# Altium PCB Rescue-MainBoard.PcbDoc (part 2 of 2)
Units mil, origin at the board's own origin, x right, y up, seen from the top; angles counter-clockwise.
Board outline 7480.32 x 7480.32 mil, 2 copper layers (Top Layer, Bottom Layer), stack 65.792 mil thick; 142 components, 159 nets, 629 pads, 157 vias.
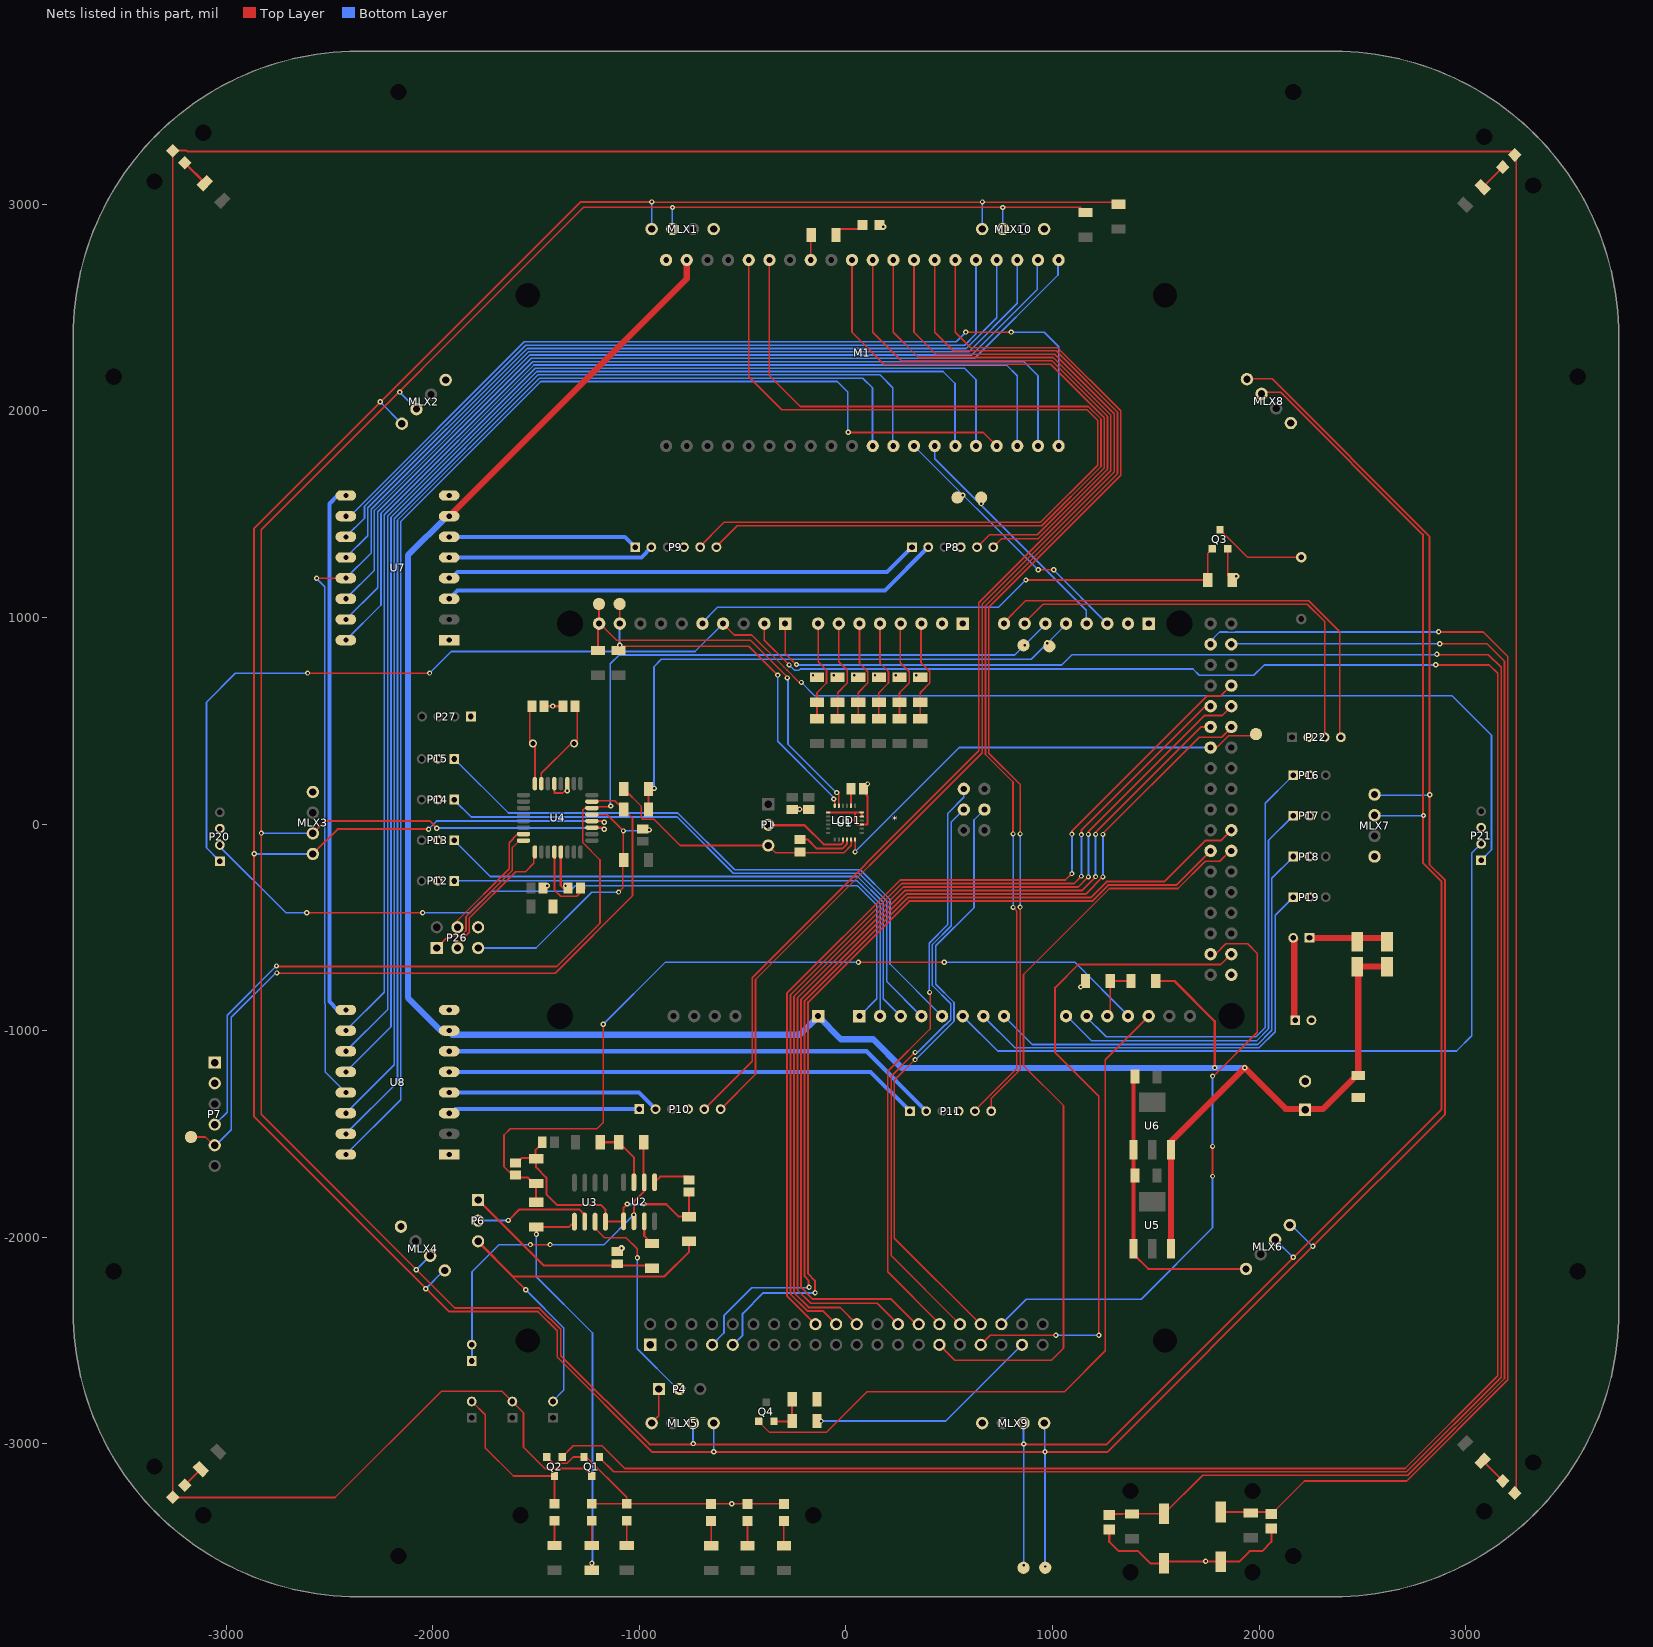
[diagram p2: the nets of this part, all layers, seen from the top]

## Via types
v1: diameter 25.59, hole 11.81, Top Layer to Bottom Layer, tented both sides, 110 vias
v2: diameter 24, hole 12, Top Layer to Bottom Layer, tented both sides, 28 vias
v3: diameter 24, hole 12, Top Layer to Bottom Layer, 13 vias
v4: diameter 31.5, hole 11.81, Top Layer to Bottom Layer, tented both sides, 6 vias

## Nets (pads, with @x,y where several pads share a name; then routed paths per layer and width w, separated by ;. In a path a pad name is that pad's centre, name@x,y a point inside that pad or via, vN(x,y) a via of type N, cw(c..) or ccw(c..) an arc to the next point about the centre after c; other vN are vias at no path point) (continued)
GND: 3V3_1.2 3V3_DUE.2 5V_1.2 *.GND5 C1.1 C2.1 C3.1 C4.1 C5.1 C6.1 C8.1 C9.2 C10.2 C11.1 C12.1 C13.1 C14.2 C15.1 C16.1 C17.1 C18.1 C19.2 C20.2 L1.2 L2.2 L8.2 LCD1.1 M1.1 MLX1.1 MLX2.1 MLX3.1 MLX4.1 MLX5.1 MLX6.1 MLX7.1 MLX8.1 MLX9.1 MLX10.1 P1.3 P4.1 P7.1 P7.2 P8.4 P9.4 P10.4 P11.4 P12.2 P13.2 P14.2 P15.2 P16.2 P17.2 P18.2 P19.2 P20.3 P21.3 P22.2 P24.2 P26.6 P27.1 Q1.2 Q2.2 Q3.2 R7.1 R11.1 R12.1 R24.2 R33.2 R35.2 R37.2 R39.2 R41.2 R43.2 R45.1 R49.2 SW1.1 SW2.1 U1.1 U1.11 U1.15 U1.17 U1.18 U2.1 U3.4 U4.3 U4.5 U4.21 U5.1 U6.1 U7.1 U7.8 U7.9 U8.1 U8.8 U8.9 | length 10393.5
  Top Layer w8: Q2.2@-1450,-3060 -1415.56,-3094.44 -1349.91,-3094.44 -1319.21,-3063.74 Q1.2@-1267.4,-3063.74 ; U4.5@-1410,190 -1410,150 -1370.67,150 -1350,170.67 -1350,193.11 U4.3@-1347.76,195.35 ; Q1.2@-1270,-3060 -1260,-3060 -1060.63,-3259.37 L2.2@-1060.63,-3289.92 ; L1.2@-1234.92,-3289.92 L2.2@-1060.63,-3289.92 ; R11.1@-1076.94,163.06 R11.1@-1075,165 ; R11.1@-1075.04,170 -989.6,84.56 -989.6,30.58 -982.57,23.55 -928.59,23.55 -801.06,-103.98 P1.3@-375.39,-103.98 ; MLX5.1@-940,-2900 -905,-2865 P4.1@-905,-2735 ; 5V_1.2@-480,-3290 5V_1.2@-479.08,-3290.92 ; P1.3@-375,-105 -340,-140 -10,-140 26.76,-103.24 26.76,-88.33 ; 3V3_DUE.2@-300,-3290.92 5V_1.2@-476.32,-3290.92 5V_1.2@-479.08,-3290.92 ; C16.1@-260,70.47 -180.47,70.47 C15.1@-180,70 ; Q3.2@1848.43,1331.69 1848.43,1203.74 R49.2@1871.06,1181.1 ; L2.2@-1060.63,-3289.92 -1060.55,-3290 -653.5,-3290 3V3_1.2@-652.58,-3290.92 5V_1.2@-479.08,-3290.92
  Top Layer w10: C4.1@-1581,-1629 -1569,-1617 -1502.73,-1617 -1502.73,-1578.73 C11.1@-1477,-1553 ; R7.1@-1501.94,-1617.27 R7.1@-1498.83,-1620.38 -1498.83,-1662.16 -1449.39,-1711.61 -1449.39,-1793.02 -1398.83,-1843.57 -1185.68,-1843.57 -1163.83,-1865.42 U3.4@-1163.83,-1924.91 -1077.53,-1924.91 U2.1@-1075.83,-1923.21 -1075.83,-1857.42 v1@-1058.83,-1840.42 ; C10.2@-1460,570 C9.2@-1370,570 ; U4.21@-1380,-135 -1380,-298.15 -1368.15,-310 C6.1@-1358.15,-300 ; v1@-978.83,-1840.42 -868.83,-1840.42 -808.87,-1900.38 R12.1@-758.83,-1900.38 C3.1@-758.83,-1794.57 ; U1.1@-86.22,55.91 44.61,55.91 ; U1.11@25,-75 26.76,-76.76 26.76,-88.33 ; U1.17@77.16,36.22 U1.18@77.16,55.91 44.61,55.91 ; C2.1@100,147 100,139.21 104.61,134.61 104.61,-3.15 U1.15@77.16,-3.15 55.43,-3.15 44.61,7.68 44.61,55.91 ; C19.2@1275,-3415 1275,-3475 1320,-3520 1415,-3520 1473.74,-3578.74 SW1.1@1540,-3578.74 ; U5.1@1395,-2085 1463.54,-2153.54 MLX6.1@1937.01,-2153.54 ; SW1.1@1534.37,-3574.37 SW1.1@1534.37,-3570.63 ; SW1.1@1540,-3570.63 v1@1740,-3570.63 ; v1@1740,-3570 v1@1740,-3570.63 ; C20.2@2060,-3405 2060,-3475 2015,-3520 1955,-3520 1904.37,-3570.63 SW2.1@1815,-3570.63 v1@1740,-3570.63
  Top Layer w20: U8.8@-1920,-900 U8.8@-1915,-895 ; U5.1@1392.68,-2055.83 U6.1@1392.68,-1575.83 C13.1@1392.68,-1248.32
  Bottom Layer w8: v1@-1359.15,-299 v1@-1358.15,-300
  Bottom Layer w10: v1@-1058.83,-1840.42 v1@-978.83,-1840.42
  Bottom Layer w20: U8.9@-2420,-900 -2460,-900 -2500,-860 -2500,1550 -2460,1590 U7.9@-2420,1590
  other v1: 1741,-3569 -553,-3290 -1057.83,-1839.42 -977.83,-1839.42 1136,-789 -1445,-299 -1357.15,-299 -224,72 -1349,161 105,194 -1419,571 -159,721 -59,721 41,721 141,721 241,721 341,721
  other v4: -1086,-2053 1890,1200 180,2890
I2C0.SCL: *.21
I2C0.SDA: *.20
LCD_CS: *.43 LCD1.15 | length 3802.1
  Top Layer w8: LCD1.15@452.75,-2521.11 527.14,-2595.5 995,-2595.5 1053.5,-2537 1053.5,-1363 860,-1169.5 860,-728.37 1275.87,-312.5 1607.5,-312.5 1740,-180 1810,-180 1864,-126 *.43@1864,-122
LCD_RESET: *.53 LCD1.17 | length 3281.2
  Top Layer w9: LCD1.17@652.75,-2521.11 698.86,-2475 v1@1016,-2475 ; v1@1224,-2475 1224,-1317.83 1012.5,-1106.33 1012.5,-791.54 1124.04,-680 1814,-680 *.53@1865,-629
  Bottom Layer w9: v1@1016,-2475 v1@1224,-2475
  other v1: 1017,-2474 1225,-2474
LCD_RS: *.41 LCD1.4 | length 4436.4
  Top Layer w9: v1@-180,-2245 -180,-2210 -200,-2190 -200,-855.33 299.33,-356 1185,-356 1262,-279 1540.74,-279 1739.74,-80 1815.69,-80 *.41@1865.69,-30
  Bottom Layer w9: LCD1.4@-647.25,-2521.11 -590,-2463.86 -590,-2379.81 -455.19,-2245 v1@-180,-2245
  other v1: -178,-2242
LCD_WR: *.42 LCD1.5 | length 4235.4
  Top Layer w9: v1@-150,-2270 -150,-2210 -183,-2177 -183,-862.37 306.37,-373 1192.04,-373 1269.04,-296 1599.69,-296 *.42@1765.69,-130
  Bottom Layer w9: LCD1.5@-547.25,-2521.11 -500,-2473.86 -500,-2370 -400,-2270 v1@-150,-2270
  other v1: -149,-2269
LED: Q4.2 R22.2 R24.1 | length 193.1
  Top Layer w10: Q4.2@-347.6,-2891.26 -261.3,-2891.26 R22.2@-260.04,-2890 R24.1@-260.04,-2785
LIGHT_LED: *.11 P20.1 P21.1 | length 8023.7
  Top Layer w8: v2(-2605,730) v2(-2015,730) ; *.11@-595,970 -540,915 -455,915 -299.8,759.8 -299.8,759.73 -285.27,745.2 -285.21,745.2 -225,685 v2(-215,685)
  Bottom Layer w8: P20.1@-3030,-180 -3095,-115 -3095,590 -2955,730 v2(-2605,730) ; v2(-2015,730) -1910,835 -730,835 *.11@-595,970 ; v2(-215,685) -150,620 2935,620 3125,430 3125,-125 P21.1@3075,-175
M1+: P8.2 U7.3 | length 2422.3
  Bottom Layer w20: U7.3@-1920,1090 -1880,1130 188.74,1130 P8.2@398.74,1340
M1-: P8.1 U7.4 | length 2292.1
  Bottom Layer w20: U7.4@-1910,1190 -1880,1220 200,1220 P8.1@320,1340
M1_DIR1: M1.20 U7.15 | length 4428.4
  Bottom Layer w8: U7.15@-2420,990 -2266,1144 -2266,1510.86 -1522.86,2254 624,2254 1027,2657 M1.20@1027,2733
M1_DIR2: M1.19 U7.14 | length 4279.7
  Bottom Layer w8: U7.14@-2420,1090 -2282,1228 -2282,1517.49 -1529.49,2270 610,2270 927,2587 M1.19@927,2730
M1_ENC1: M1.10 P8.5 | length 2759.6
  Top Layer w8: M1.10@30,2730 30,2580.04 30,2380 184,2226 991.31,2226 1250.69,1966.63 1250.69,1723.57 927.12,1400 694.96,1400 P8.5@634.96,1340
M1_ENC2: M1.11 P8.6 | length 2620.6
  Top Layer w8: M1.11@130,2730 130,2580.04 130,2380 268,2242 997.94,2242 1266.69,1973.25 1266.69,1716.94 929.74,1380 753.7,1380 P8.6@713.7,1340
M1_PWM: M1.22 U7.16 | length 4536.8
  Bottom Layer w8: U7.16@-2420,890 -2250,1060 -2250,1504.24 -1516.24,2238 862,2238 930,2170 M1.22@930,1830
M2+: P9.1 U7.6 | length 921.8
  Bottom Layer w20: U7.6@-1920,1390 -1070,1390 P9.1@-1019.21,1339.21
M2-: P9.2 U7.5 | length 1000.7
  Bottom Layer w20: U7.5@-1920,1290 -990,1290 P9.2@-940,1340
M2_DIR1: M1.17 U7.12 | length 3989.4
  Bottom Layer w8: U7.12@-2420,1290 -2314,1396 -2314,1530.75 -1542.75,2302 582,2302 730,2450 M1.17@730,2730
M2_DIR2: M1.16 U7.11 | length 3848
  Bottom Layer w8: U7.11@-2420,1390 -2330,1480 -2330,1537.37 -1549.37,2318 575.37,2318 630,2372.63 M1.16@630,2730
M2_ENC1: M1.5 P9.5 | length 4650.9
  Top Layer w8: P9.5@-710,1340 -590,1460 941.86,1460 1218.69,1736.82 1218.69,1953.37 1167.06,2005 -310,2005 -470,2165 M1.5@-470,2730
M2_ENC2: M1.6 P9.6 | length 4507.8
  Top Layer w8: P9.6@-630,1340 -526,1444 948.49,1444 1234.69,1730.2 1234.69,1960 1173.69,2021 -221,2021 -370,2170 M1.6@-370,2730
M2_PWM: M1.21 U7.10 | length 4327.6
  Top Layer w8: v1@580,2380 v1@800,2380
  Bottom Layer w8: U7.10@-2420,1490 -2400,1490 -1556,2334 534,2334 v1@580,2380 ; v1@800,2380 960,2380 1030,2310 M1.21@1030,1830
  other v1: 581,2381 801,2381
M3+: P10.1 U8.3 | length 918.3
  Bottom Layer w20: U8.3@-1910,-1400 -1890,-1380 P10.1@-1000,-1380
M3-: P10.2 U8.4 | length 1031.9
  Bottom Layer w20: U8.4@-1920,-1300 -1001.26,-1300 P10.2@-921.26,-1380
M3_DIR1: M1.30 U8.15 | length 5955.6
  Bottom Layer w8: U8.15@-2420,-1500 -2170,-1250 -2170,1471.1 -1483.1,2158 82,2158 129,2111 M1.30@129,1833
M3_DIR2: M1.29 U8.14 | length 5981
  Bottom Layer w8: U8.14@-2420,-1400 -2186,-1166 -2186,1477.73 -1489.73,2174 165.37,2174 227,2112.37 M1.29@227,1833
M3_ENC1: M1.12 P10.5 | length 5743.4
  Top Layer w8: P10.5@-685.04,-1380 -453.5,-1148.46 -453.5,-743.5 644,354 644,1071.63 1282.69,1710.31 1282.69,1979.88 1004.57,2258 352,2258 230,2380 230,2580.04 M1.12@230,2730
M3_ENC2: M1.13 P10.6 | length 5637.3
  Top Layer w8: P10.6@-606.3,-1380 -437.5,-1211.2 -437.5,-752.5 660,345 660,1065 1298.69,1703.69 1298.69,1986.51 1011.2,2274 436,2274 330,2380 330,2580.04 M1.13@330,2730
M3_PWM: M1.24 U8.16 | length 6582.8
  Top Layer w8: v1@10,1895 665,1895 M1.24@730,1830
  Bottom Layer w8: U8.16@-2420,-1600 -2154,-1334 -2154,1464.47 -1476.47,2142 -42,2142 10,2090 v1@10,1895
  other v1: 11,1896
M4+: P11.2 U8.6 | length 2439.6
  Bottom Layer w20: U8.6@-1930,-1100 U8.6@-1920,-1100 100,-1100 388.74,-1388.74 P11.2@388.74,-1390
M4-: P11.1 U8.5 | length 2308.7
  Bottom Layer w20: U8.5@-1920,-1200 120,-1200 P11.1@310,-1390
M4_DIR1: M1.26 U8.12 | length 6119
  Bottom Layer w8: U8.12@-2420,-1200 -2202,-982 -2202,1484.35 -1496.35,2190 470,2190 528,2132 M1.26@528,1834
M4_DIR2: M1.25 U8.11 | length 6164
  Bottom Layer w8: U8.11@-2420,-1100 -2218,-898 -2218,1490.98 -1502.98,2206 574,2206 630,2150 M1.25@630,1828
M4_ENC1: M1.14 P11.5 | length 5199.1
  Top Layer w8: M1.14@432,2738 430,2736 430,2380 520,2290 1017.82,2290 1314.69,1993.14 1314.69,1694.69 676,1056 676,336.37 809,203.37 v2@809,-49 ; P11.5@624.96,-1390 624.96,-1385.04 828,-1182 828,-422 v2(810,-404)
  Bottom Layer w8: v2(810,-404) v2(810,-48)
M4_ENC2: M1.15 P11.6 | length 5086
  Top Layer w8: M1.15@530,2731 530,2380 604,2306 1024.45,2306 1330.69,1999.76 1330.69,1688.06 692,1049.37 692,343 844,191 v2@844,-49 ; P11.6@703.7,-1390 703.7,-1328.93 844,-1188.63 v2(844,-402)
  Bottom Layer w8: v2(843,-48) 844,-49 v2(844,-402)
M4_PWM: M1.23 U8.10 | length 6296.2
  Bottom Layer w8: U8.10@-2420,-1000 -2234,-814 -2234,1497.61 -1509.61,2222 778,2222 830,2170 M1.23@830,1834
MISO: P26.1 U4.16 | length 720.1
  Top Layer w8: P26.1@-1980,-600 -1921.53,-541.53 -1862.8,-541.53 -1838.47,-517.2 -1838.47,-448.47 -1614,-224 -1614,-114 U4.16@-1580,-80
MOSI: P26.4 U4.15 | length 570.1
  Top Layer w8: P26.4@-1880,-500 -1880,-467.37 -1630,-217.37 -1630,-90 U4.15@-1590,-50
Net3V3_1_1: 3V3_1.1 R31.1 | length 120.2
  Top Layer w8: 3V3_1.1@-652.58,-3373.6 -652.07,-3374.11 R31.1@-652.07,-3493.56
Net3V3_DUE_1: 3V3_DUE.1 R48.1 | length 120
  Top Layer w8: R48.1@-300,-3493.56 3V3_DUE.1@-300,-3373.6
Net5V_1_1: 5V_1.1 R30.1 | length 120
  Top Layer w8: R30.1@-476.32,-3493.56 5V_1.1@-476.32,-3373.6
Net*_2: *.2 R42.2 R43.1 | length 497.5
  Top Layer w8: R42.2@360,510.04 R43.1@360,589.96 360,635.98 406.45,682.43 406.45,737.65 364,780.1 364,968.31 *.2@365.69,970
Net*_3: *.3 R40.2 R41.1 | length 497.5
  Top Layer w8: R40.2@260,510.04 R41.1@260,589.96 260,635.98 306.45,682.43 306.45,737.65 264,780.1 264,968.31 *.3@265.69,970
Net*_4: *.4 R38.2 R39.1 | length 496.7
  Top Layer w8: R38.2@160,510.04 R39.1@160,589.96 160,635.98 206.45,682.43 206.45,737.65 165,779.1 165,969.31 *.4@165.69,970
Net*_5: *.5 R36.2 R37.1 | length 496.1
  Top Layer w8: R36.2@60,510.04 R37.1@60,589.96 60,635.98 106.45,682.43 106.45,737.65 65.69,778.4 *.5@65.69,970
Net*_6: *.6 R34.2 R35.1 | length 496.1
  Top Layer w8: R34.2@-40,510.04 R35.1@-40,589.96 -40,635.98 6.45,682.43 6.45,744.68 -34.31,785.43 *.6@-34.31,970
Net*_7: *.7 R32.2 R33.1 | length 496.1
  Top Layer w8: R32.2@-140,510.04 R33.1@-140,589.96 -140,635.98 -93.55,682.43 -93.55,744.68 -134.31,785.43 *.7@-134.31,970
Net*_8: *.8 Q1.3 | length 11700.5
  Top Layer w8: Q1.3@-1194,-3065 -1194,-3066 -1124,-3136 2713.4,-3136 3171.96,-2677.44 3171.96,758.04 3110,820 v1@2860,820 ; *.8@-294,968 -294,825 -240,771 v1@-240,772
  Bottom Layer w8: v1@-240,771 -239,770 1045,770 1095,820 v1@2860,820
  other v1: -239,772 2861,821
Net*_9: *.9 Q2.3 | length 11926.9
  Top Layer w8: Q2.3@-1372.6,-3063.74 -1318.86,-3010 -1180,-3010 -1070,-3120 2706.77,-3120 3155.96,-2670.81 3155.96,729.04 3115,770 v1@2855,770 ; *.9@-395,971 -395,890 -285,780 -284,780 v1@-274,770
  Bottom Layer w8: v1@-274,769 -249,744 -227,744 -221,750 1680,750 1710,720 1975,720 2025,770 v1@2855,770
  other v1: -275,770 2856,771
Net*_12: *.12 Q3.3 R49.1 | length 2698.4
  Top Layer w8: v2(871.1,1181.1) R49.1@1750.98,1181.1 1750.98,1309.06 Q3.3@1773.62,1331.69
  Bottom Layer w8: *.12@-700,970 -620,1050 740,1050 v2(871.1,1181.1)
Net*_22: *.22 C20.1 R21.2 SW2.2 | length 6671.6
  Top Layer w8: SW2.2@1815,-3330.47 2070.47,-3330.47 2070,-3330 2220,-3180 2714.65,-3180 3203.96,-2690.69 3203.96,811.04 3086,929 v1@2867,929
  Bottom Layer w8: *.22@1760,880 1809,929 1847.3,929 1848.3,928 1883.09,928 1884.09,929 v1@2868,929
  other v1: 2869,930
Net*_23: *.23 C19.1 R20.2 SW1.2 | length 7016.7
  Top Layer w8: C19.1@1275,-3344.57 1279.57,-3340 1340,-3340 SW1.2@1540,-3338.58 SW1.2@1540.21,-3338.79 ; SW1.2@1540,-3340 1540,-3339 SW1.2@1540.21,-3338.79 ; v1@2874,872 3103,872 3187.96,787.04 3187.96,-2684.07 2720.03,-3152 1727,-3152 SW1.2@1540.21,-3338.79
  Bottom Layer w8: *.23@1865,872 v1@2874,872
  other v1: 2875,873
Net*_32: *.32 IMU_INT.1 U1.12 | length 2241
  Top Layer w8: v3(44.68,-134.68) U1.12@44.68,-75 ; *.32@1765,370 *.32@1765.69,370 1795,370 1853,428 1978,428 IMU_INT.1@1985,435
  Bottom Layer w8: v3(44.68,-134.68) 549.37,370 *.32@1765.69,370 *.32@1770,370
Net*_A0: *.A0 P20.2 | length 3981.2
  Top Layer w8: v1@-2610,-430 v1@-2050,-430
  Bottom Layer w8: P20.2@-3032.5,-107.5 -2710,-430 v1@-2610,-430 ; v1@-2050,-430 -1820,-430 -1715,-325 -1336,-325 -1310,-299 56.37,-299 149.69,-392.32 149.69,-846 *.A0@65.69,-930
  other v1: -2609,-429 -2049,-429
Net*_A1: *.A1 P12.1 | length 2651.3
  Bottom Layer w8: P12.1@-1895,-274 54,-274 165.69,-385.69 *.A1@165.69,-930
Net*_A2: *.A2 P13.1 | length 2776.6
  Bottom Layer w8: P13.1@-1877.5,-82.5 -1877.5,-97.5 -1721,-254 56.63,-254 181.69,-379.07 181.69,-846 *.A2@265.69,-930
Net*_A3: *.A3 P14.1 | length 2923.2
  Bottom Layer w8: P14.1@-1892.5,117.5 -1892.5,112.5 -1814,34 -816.63,34 -544.63,-238 63.25,-238 197.69,-372.44 197.69,-762 *.A3@365.69,-930
Net*_A4: *.A4 P15.1 | length 3057.2
  Bottom Layer w8: P15.1@-1890,315 -1890,310 -1633,53 -813,53 -538,-222 69.88,-222 213.69,-365.81 213.69,-678 *.A4@465.69,-930
Net*_A5: *.A5 P21.2 | length 3513.6
  Bottom Layer w8: *.A5@565.69,-930 734.69,-1099 2956,-1099 3030,-1025 3030,-140 P21.2@3075,-95
Net*_A6: *.A6 P19.1 | length 2191.9
  Bottom Layer w8: *.A6@665.69,-930 818.69,-1083 1999.88,-1083 2078,-1004.88 2078,-442 2160,-360 P19.1@2160,-355
Net*_A7: *.A7 P18.1 | length 2262.4
  Bottom Layer w8: *.A7@765.69,-930 902.69,-1067 1993.25,-1067 2062,-998.25 2062,-263 P18.1@2165,-160
Net*_A9: *.A9 P17.1 | length 2123.7
  Bottom Layer w8: *.A9@1070,-930 1190,-1050 1987.63,-1050 2046,-991.63 2046,-79 P17.1@2160,35
Net*_A10: *.A10 P16.1 | length 2191.8
  Bottom Layer w8: *.A10@1160,-930 1260,-1030 1985,-1030 2030,-985 2030,100 P16.1@2155,225
Net*_A11: *.A11 R44.1 R45.2 | length 278.2
  Top Layer w8: *.A11@1260,-930 1280.04,-909.96 R45.2@1280.04,-760 R44.1@1379.96,-760
Net*_DAC0: *.DAC0 C4.2 R6.1 R7.2 | length 4188.9
  Top Layer w8: C4.2@-1598.83,-1711 -1598.83,-1715.17 -1655,-1659 -1655,-1505 -1625,-1475 -1205,-1475 -1175,-1445 v1@-1175,-970 ; v1@60,-670 v1@475,-670
  Top Layer w10: C4.2@-1598.83,-1711 -1540,-1711 -1510.54,-1740.46 R7.2@-1498.83,-1740.46 R6.1@-1498.83,-1830.42
  Bottom Layer w8: v1@-1175,-970 v1(-1174,-969) -875,-670 v1@60,-670 ; v1(476,-669) 1109,-669 *.DAC0@1365,-925
  other v1: 61,-669
Net*_DAC1: *.DAC1 Q4.3 | length 3566.9
  Top Layer w8: Q4.3@-420,-2895 -370,-2945 -95,-2945 102.5,-2747.5 1057.96,-2747.5 1255,-2550.46 1255,-1140.69 *.DAC1@1465.69,-930
Net*_SCL1: *.SCL1 IMU_SCL.1 R46.2 U1.23 | length 1989.1
  Top Layer w8: R46.2@-1200,840.04 -1200,970 *.SCL1@-1195,975 ; IMU_SCL.1@-1195,1075 *.SCL1@-1195,975 ; *.SCL1@-1194.31,970 -1195,970.69 *.SCL1@-1195,975 ; *.SCL1@-1190,970 -1110,890 -462,890 -280,708 -281,707 v1(-283,707) ; v1@-40,150 -34.06,144.06 U1.23@-34.06,88.39
  Bottom Layer w8: v1@-280,709 -280,386 -44,150 v1@-40,150
  other v1: -44,152
Net*_SDA1: *.SDA1 IMU_SDA.1 R47.2 U1.24 | length 1782.4
  Top Layer w8: IMU_SDA.1@-1095,1075 -1095,970.69 *.SDA1@-1094.31,970 ; R47.2@-1093,862 -1091,860 -470,860 v1@-330,720 ; v1@-60,120 -53.74,113.74 U1.24@-53.74,88.39
  Bottom Layer w8: *.SDA1@-1096,970 -1096,865 v1@-1093,862 ; v1@-330,720 -330,400 -60,130 v1@-60,120
  other v1: -59,121 -329,721 -1095,865
NetBZ1_2: BZ1.2 Q3.1 | length 448.7
  Top Layer w8: Q3.1@1811.02,1424.21 1943.9,1291.34 BZ1.2@2204.72,1291.34
NetC1_2: C1.2 U1.10 | length 272.9
  Top Layer w10: C1.2@-218,-75 -184.37,-75 -140.37,-119 -16.54,-119 5,-97.46 5,-75 U1.10@5.31,-75
NetC2_2: C2.2 U1.20 | length 82.7
  Top Layer w10: C2.2@12.5,172.5 25,160 U1.20@25,95
NetC3_2: C3.2 U2.5 | length 178.2
  Top Layer w10: U2.5@-925.83,-1734.24 -898.83,-1707.24 C3.2@-758.83,-1707.24
NetC6_2: C6.2 U4.20 | length 362.1
  Top Layer w8: U4.20@-1410,-135 -1410,-320 -1380,-350 -1301.85,-350 -1261.85,-310
NetC9_1: C9.1 U4.7 Y1.1 | length 447.7
  Top Layer w8: U4.7@-1473.74,195.35 -1473.74,245.2 -1328.94,390 Y1.1@-1315,390 ; Y1.1@-1310,395 -1300,405 C9.1@-1300,570
NetC10_1: C10.1 U4.8 Y1.2 | length 376.1
  Top Layer w8: C10.1@-1530,559 -1530,402 -1518,390 Y1.2@-1515,390 -1505,380 U4.8@-1505,195
NetD1_2: D1.2 D2.2 P23.1 | length 375.9
  Top Layer w30: P23.1@2244.09,-551.18 D1.2@2620,-551.18
NetL1_1: L1.1 R8.2 | length 120
  Top Layer w8: R8.2@-1230,-3492.56 L1.1@-1230,-3372.6
NetL2_1: L2.1 R13.1 | length 120
  Top Layer w8: R13.1@-1060.63,-3492.56 L2.1@-1060.63,-3372.6
NetL3_1: L3.1 R14.2 | length 146.4
  Top Layer w12: L3.1@-3200,3200 R14.2@-3102.45,3102.45 -3100,3100 R14.2@-3100,3095
NetL3_2: L3.2 L4.2 L5.2 L6.2 P3.2 Q1.1 | length 22001
  Top Layer w8: L4.2@-3260,-3260 -2472.6,-3260 -1957.6,-2745 -1664.45,-2745 P3.2@-1614.17,-2795.28 ; P3.2@-1615,-2795 -1560,-2850 -1560,-3017.37 -1457.37,-3120 -1266.26,-3120 Q1.1@-1230,-3156.26
  Top Layer w9: L4.2@-3258.46,-3248.46 L3.2@-3258.46,3258.46 ; L3.2@-3245.91,3245.91 -3231.81,3260 -3190.73,3260 -3185.73,3255 3221.92,3255 3245,3231.92 3245,-3231.92 L5.2@3238.46,-3238.46
NetL4_1: L4.1 R15.2 | length 117.6
  Top Layer w9: L4.1@-3205,-3195 -3195,-3195 R15.2@-3122.45,-3122.45 ; L4.1@-3200,-3200 L4.1@-3200,-3195
NetL5_1: L5.1 R16.2 | length 127.3
  Top Layer w9: R16.2@3090,-3090 L5.1@3180,-3180
NetL6_1: L6.1 R17.2 | length 127.3
  Top Layer w9: R17.2@3090,3090 L6.1@3180,3180
NetL7_1: L7.1 R18.2 | length 120
  Top Layer w8: R18.2@-1410,-3492.56 L7.1@-1410,-3372.6
NetL7_2: L7.2 P5.2 Q2.1 | length 777
  Top Layer w8: P5.2@-1810,-2795 -1745,-2860 -1745,-3020 -1608.74,-3156.26 Q2.1@-1410,-3156.26 L7.2@-1410,-3289.92
NetL8_1: L8.1 R19.1 | length 130
  Top Layer w8: R19.1@-49.96,2880 L8.1@80,2880
NetLCD1_19: LCD1.19 R22.1 | length 1125.6
  Bottom Layer w8: v2(-120,-2890) 483.86,-2890 LCD1.19@852.75,-2521.11
NetP1_2: P1.2 U1.9 | length 421
  Top Layer w10: P1.2@-375.39,-3.98 -375.39,-6 -200,-6 -107.17,-98.83 -21.83,-98.83 -14.37,-91.37 U1.9@-14.37,-75
NetP4_2: P4.2 U3.3 | length 1046.2
  Top Layer w8: U3.3@-1213.83,-1924.91 -1213.83,-1956.17 -1168,-2002 -1064,-2002 -1010,-2056 v1@-1010,-2100
  Bottom Layer w8: v1@-1010,-2100 -1010,-2540 -815,-2735 P4.2@-805,-2735
  other v1: -1009,-2099
NetP6_2: P6.2 U3.2 | length 548.1
  Top Layer w10: v1@-1635,-1920 -1581.06,-1866.06 -1459,-1866.06 -1457.94,-1865 -1290,-1865 U3.2@-1265,-1890
  Bottom Layer w10: P6.2@-1780,-1920 v1@-1635,-1920
  other v1: -1634,-1919
NetP23_2: P23.2 P24.1 | length 398.1
  Top Layer w30: P24.1@2175,-950 2170,-945 2170,-561.54 P23.2@2175.35,-556.18
NetP25_1: P25.1 P25.2 R4.1 U2.2 U2.6 | length 1736.7
  Top Layer w8: v2(-1527,-2036) v2(-1432,-2036) ; v2(-1027,-1892) U2.2@-1027,-1890
  Top Layer w10: U2.2@-1025.83,-1923.21 -1025.83,-1827.42 -975.83,-1777.42 U2.6@-975.83,-1734.24 -978.83,-1731.24 R4.1@-978.83,-1540.42
  Bottom Layer w8: P25.1@-1810,-2600 -1810,-2549.26 -1810,-2167 -1679,-2036 v2(-1527,-2036) ; v2(-1432,-2036) -1171,-2036 v2(-1027,-1892)
NetR3_1: R3.1 R4.2 U2.7 | length 314
  Top Layer w10: R3.1@-1188.83,-1540.42 R4.2@-1098.91,-1540.42 -1025.83,-1613.5 U2.7@-1025.83,-1734.24
NetR5_2: R5.2 U2.3 | length 122.5
  Top Layer w10: U2.3@-975.83,-1923.21 -975.83,-1993.35 R5.2@-938.83,-2030.35
PAUSE: R6.2 R8.1 U3.1 | length 1981.6
  Top Layer w8: v1@-1498.83,-1986.17 R6.2@-1498.83,-1950.5 ; R8.1@-1230,-3615 v1@-1230,-3580
  Top Layer w9: R6.2@-1498.83,-1950.42 -1338.83,-1950.42 U3.1@-1308.83,-1920.42
  Bottom Layer w8: v1@-1498.83,-1986.17 -1498.83,-2191.17 -1226,-2464 -1226,-3576 v1@-1230,-3580
  other v1: -1229,-3579 -1497.83,-1985.17
PAUSE_CAPACITIVE: C5.2 P6.1 R5.1 | length 959
  Top Layer w10: P6.1@-1780,-1820 -1463,-2137 C5.2@-1119.11,-2137 ; C5.2@-1117,-2137 R5.1@-950.15,-2137
PAUSE_DIGITAL: P2.2 P6.3 R12.2 | length 2168.2
  Top Layer w8: P6.3@-1785,-2020 -1614.58,-2190.42 ; P6.3@-1780,-2020 -1609.58,-2190.42 ; v1@-1550,-2255 -1614.58,-2190.42 ; -878.83,-2190.42 -1609.58,-2190.42 ; -1614.58,-2190.42 -1609.58,-2190.42
  Top Layer w10: -878.83,-2190.42 -758.83,-2070.42 R12.2@-758.83,-2020.46
  Bottom Layer w8: v1@-1550,-2255 -1365,-2440 -1365,-2740 P2.2@-1420,-2795
  other v1: -1549,-2254
PING: M1.8 R19.2 | length 150
  Top Layer w8: R19.2@-170.04,2880 -170,2879.96 M1.8@-170,2730
RESET: C7.1 P26.5 R9.2 U4.29 | length 1412.5
  Top Layer w8: U4.29@-1230,45 -1155,45 v2(-1077,-33) R9.2@-1077,-172 ; v2(-1100,-330) -1080,-310 R9.2@-1080,-170
  Bottom Layer w8: P26.5@-1780,-600 -1500,-600 -1230,-330 v2(-1100,-330) ; v2(-1077,-33) -956,-33 v2(-951,-28)
SCK: P26.3 U4.17 | length 651
  Top Layer w8: P26.3@-1880,-600 -1880,-581.36 -1822.47,-523.83 -1822.47,-455.1 -1598,-230.63 -1550.63,-230.63 -1510,-190 U4.17@-1510,-130
SCL: MLX1.4 MLX2.4 MLX3.4 MLX4.4 MLX5.4 MLX6.4 MLX7.4 MLX8.4 MLX9.4 MLX10.4 R1.1 TMP_SCL.1 U4.28 | length 22518.8
  Top Layer w8: v1@-2255,2043.33 v1@-2255,2045 ; v1@-940,3010 1310.04,3010 R1.1@1320,3000.04
  Top Layer w9: MLX3.4@-2580,-145 -2460,-25 v1(-2020,-25) ; U4.28@-1229.65,14.25 v1@-1170.75,14.25 ; v1@-940,3010 -1285,3010 -2865,1430 -2865,-1415 -1920,-2360 -1490.2,-2360 -1397,-2453.2 -1397,-2580 -937,-3040 1265,-3040 v1(2261,-2044) 2900.5,-1404.5 2900.5,-271.46 2825,-195.96 2825,1393.08 2063.08,2155 MLX8.4@1945,2155
  Bottom Layer w8: v1@-2255,2043.33 MLX2.4@-2149.14,1937.47 ; v1@-2035,-2250 v1(-2034,-2249) -1945.95,-2160.95 MLX4.4@-1941.41,-2160.95 ; MLX1.4@-940,2880 v1@-940,3010 ; v1@-640,-3040 MLX5.4@-640,-2900 ; MLX10.4@660,2880 v1@660,3010 ; v1@963,-3040 MLX9.4@963,-2896 ; v3(964,-3594) v1(964,-3039) ; MLX6.4@2149.14,-1941.41 2156.41,-1941.41 v1@2260,-2045 ; MLX7.4@2565,145 2570,140 v1@2825,140
  Bottom Layer w9: v1@-2865,-145 MLX3.4@-2580,-145 ; v1@-2020,-24.23 -1981.52,14.25 v1@-1170.75,14.25
  other v1: -639,-3039 -2864,-144 -1169,9 2826,141 -2254,2044.33 -939,3011 661,3011
SD_CLK: *.SCK LCD1.36 | length 2855.5
  Top Layer w8: v3(335,-1105) 219,-1221 219,-2089 LCD1.36@550,-2420
  Bottom Layer w8: v3(335,-1105) 347.38,-1105 480.38,-972 483.09,-972 507.69,-947.4 507.69,-870.32 419,-781.63 419,-583.37 510,-492.37 510,10 570,70 *.SCK@570.69,70
SD_CS: *.52 LCD1.38 | length 2903.3
  Top Layer w8: *.52@1765,-630 *.52@1765.69,-630 1789.03,-630 1839.03,-580 1945,-580 1992,-627 1992,-1008.07 1780.07,-1220 v3(1775,-1220) ; v3(1775,-1705) v3(1775,-1560)
  Bottom Layer w8: LCD1.38@752.75,-2421.11 873.86,-2300 1430,-2300 1775,-1955 v3(1775,-1705) ; v3(1775,-1560) v3(1775,-1220)
SD_MISO: *.MISO LCD1.35 | length 2854.6
  Top Layer w8: v3(405,-815) 407.69,-817.69 407.69,-992.31 203,-1197 203,-2168 LCD1.35@455,-2420
  Bottom Layer w8: v3(405,-815) 403,-817 403,-576.75 494,-485.75 494,52.7 570.69,129.4 *.MISO@570.69,170
SD_MOSI: *.MOSI LCD1.37 | length 2917.4
  Top Layer w8: v3(335.01,-1140) 235,-1240 235,-2005 LCD1.37@650,-2420
  Bottom Layer w8: v3(335.01,-1140) 337.72,-1140 523.69,-954.02 523.69,-863.69 435,-775 435,-590 620,-405 620,19.31 *.MOSI@670.69,70
SDA: MLX1.3 MLX2.3 MLX3.3 MLX4.3 MLX5.3 MLX6.3 MLX7.3 MLX8.3 MLX9.3 MLX10.3 R2.1 TMP_SDA.1 U4.27 | length 21817
  Top Layer w8: -1270,2985 1135.04,2985 R2.1@1160,2960.04 ; v1@2165,-2100 v1@2165,-2098.69 ; v1@2793,40 v1@2795,40
  Top Layer w9: MLX3.3@-2580,-45 -2520,15 -2015,15 -1982.5,-17.5 v1@-1977.5,-17.5 ; -1270,2985 -2830,1425 -2830,-1405 -1892,-2343 -1483.16,-2343 -1380,-2446.16 -1380,-2572.96 -949.96,-3003 1262,-3003 2165,-2100 2883.5,-1381.5 2883.5,-278.5 2793,-188 2793,40 2793,1401.04 2104.04,2090 MLX8.3@2010,2090 ; U4.27@-1229.65,-17.24 -1172.76,-17.24 v1@-1170,-20
  Bottom Layer w8: v1@-2160,2089.75 MLX2.3@-2078.43,2008.18 ; v1@-2080,-2158.12 v1(-2079,-2157.12) MLX4.3@-2012.12,-2090.24 ; MLX1.3@-840,2880 v1@-840,2985 ; v1@-740,-3000 MLX5.3@-740,-2900 ; MLX10.3@760,2885 v1(760,2984) v1@760,2985 ; v1@860,-3002 MLX9.3@860,-2900 ; v3(861,-3589) v1(861,-3001) ; MLX6.3@2078.43,-2012.12 v1@2165,-2098.69 ; MLX7.3@2560,45 2565,40 v1@2795,40
  Bottom Layer w9: v1@-2830,-45 MLX3.3@-2580,-45 ; v1(-1980,-20) v1@-1170,-20
  other v1: -739,-2999 2166,-2097.69 -2829,-44 -1170,-25 2796,41 -2159,2090.75 -839,2984
STBY: M1.18 U7.13 U8.13 | length 6819.4
  Top Layer w8: v1@-2563,1189 U7.13@-2427,1189
  Bottom Layer w8: v1@-2563,1189 -2522,1148 -2522,-869.11 -2519.69,-871.43 -2519.69,-1200.31 U8.13@-2420,-1300 ; U7.13@-2420,1190 -2298,1312 -2298,1524.12 -1536.12,2286 596,2286 830,2520 M1.18@830,2730
  other v1: -2562,1190
T_CLK: *.27 LCD1.29 | length 4541.8
  Top Layer w9: LCD1.29@-147.25,-2421.11 -147.89,-2421.11 -285,-2284 -285,-820.12 264.12,-271 1063,-271 v2(1094,-240) ; v2@1094,-45 1094,-36 1750,620 1815.69,620 *.27@1865.69,670
  Bottom Layer w9: v2(1094,-240) v2(1094,-49)
T_CS: *.28 LCD1.30 | length 4471.8
  Top Layer w9: LCD1.30@-47.25,-2421.11 -111.36,-2357 -187.04,-2357 -268,-2276.04 -268,-827.17 271.17,-288 1105,-288 v2(1140,-253) ; v2@1140,-50 1140,-30 1740,570 *.28@1765.69,570
  Bottom Layer w9: v2(1140,-253) v2(1140,-51)
T_DIN: *.29 LCD1.31 | length 4622.2
  Top Layer w9: LCD1.31@52.75,-2421.11 -28.36,-2340 -180,-2340 -251,-2269 -251,-834.21 278.21,-305 1125,-305 v2(1174,-256) ; v2@1173,-43 1173,-37 1735,525 1820.69,525 *.29@1865.69,570
  Bottom Layer w9: v2(1174,-256) v2(1174,-50)
T_IRQ: *.31 LCD1.34 | length 4792.5
  Top Layer w9: LCD1.34@352.75,-2421.11 341.11,-2421.11 220,-2300 -160,-2300 -217,-2243 -217,-848.29 292.29,-339 1161,-339 v2(1244,-256) ; v2(1244,-50) 1244,-46 1710,420 1820,420 1865.69,465.69 *.31@1865.69,470
  Bottom Layer w9: v2(1244,-256) v2(1244,-50)
T_OUT: *.30 LCD1.33 | length 4638.5
  Top Layer w9: LCD1.33@252.75,-2421.11 151.64,-2320 -170,-2320 -234,-2256 -234,-841.25 285.25,-322 1142.65,-322 1209,-255.65 v2(1209,-255) ; v2(1209,-50) 1209,-41 1720,470 *.30@1765.69,470
  Bottom Layer w9: v2(1209,-255) v2(1209,-50)
TX: P7.5 R10.2 TX_H.1 U4.31 | length 3570.2
  Top Layer w8: TX_H.1@-3170,-1515 -3100,-1515 P7.5@-3060,-1555 ; v1@-2755,-722 -1407,-722 -1033,-348 -1033,27.96 R10.2@-1075.04,70 -1118.04,113 U4.31@-1229,113
  Bottom Layer w8: P7.5@-3055,-1545 -3040,-1545 -2975,-1480 -2975,-936 -2761,-722 v1@-2755,-722
  other v1: -2754,-721
UART0.RX: *.1
UART0.TX: *.0@565.69,970
UART1.RX: *.18 M1.27 MBED.RX.1 | length 1162
  Bottom Layer w8: M1.27@430,1830 430,1768 1164,1034 *.18@1164,972
  other v1: 656,1551
UART1.TX: *.19 M1.28 MBED.TX.1 | length 1291.2
  Top Layer w8: v1@930,1230 v1@1005,1230
  Bottom Layer w8: M1.28@330,1830 v1@930,1230 ; v1@1005,1230 *.19@1265,970
  other v1: 931,1231 1006,1231 566,1591
UART2.RX: *.16 P7.4 RX.1 U4.30 | length 6119.1
  Top Layer w8: v1@-2755,-690 -1400,-690 -1190,-480 -1190,-173.82 -1274.13,-89.69 -1274.13,65.87 -1260,80 U4.30@-1225,80 ; U4.30@-1202,83 -1146,83 -1140,89 -1139,88 v1@-1139,86
  Bottom Layer w8: P7.4@-3050,-1450 -2995,-1395 -2995,-925 -2760,-690 v1@-2755,-690 ; v1@-1139,86 -1139,88 -1140,89 -1140,775 -1097,818 818,818 965.69,965.69 *.16@965.69,970
  other v1: -2756,-687 -1138,87
  other v4: 865,865
UART2.TX: *.17 R10.1 R11.2 TX_L.1 | length 2778
  Top Layer w8: R10.1@-954.96,70 R11.2@-954.96,170 ; v1@-932,168 v1@-929,171
  Bottom Layer w8: v1@-929,171 -929,761 -893,797 897,797 1065.69,965.69 *.17@1065.69,970
  other v1: -928,172
  other v4: 975,875
UART3.RX: *.14 P22.4 | length 2247.7
  Top Layer w8: *.14@760,970 870,1080 2240,1080 2390,930 P22.4@2390,420
UART3.TX: *.15 P22.3 | length 2091.1
  Top Layer w8: *.15@860,970 954,1064 2233.37,1064 2317.48,979.89 P22.3@2317.48,420
VIN: *.VIN C14.1 C18.2 D1.1 D2.1 M1.2 R44.2 U5.3 U6.3 U7.7 U8.7 | length 11347.7
  Top Layer w12: R44.2@1500.04,-760 1590,-760 1785,-955 v1@1785,-1180
  Top Layer w30: U7.7@-1920,1490 -770,2640 M1.2@-770,2730 ; U5.3@1573.78,-2055.83 U6.3@1573.78,-1575.83 ; U6.3@1574.8,-1535.43 1828.24,-1282 1828.24,-1281.76 1930,-1180 2129,-1379 2310,-1379 2480,-1209 2480,-689.96 D1.1@2620,-690.04
  Bottom Layer w30: U8.7@-1920,-1000 U8.7@-1925,-1000 ; U7.7@-1920,1490 -1930,1490 -2120,1300 -2120,-840 -1960,-1000 U8.7@-1925,-1000 ; v1@1929.13,-1181.1 271.1,-1181.1 132,-1042 -24,-1042 -134.31,-931.69 *.VIN@-134.31,-930 -140,-930 -137.15,-932.85 -137.15,-934.15 -223,-1020 -1905,-1020 U8.7@-1925,-1000
  other v1: 1930.13,-1180.1 1786,-1179
pads on no net: *.0@1615.69,970 *.0@1865.69,-930 *.0@-1334.31,970 *.0@-1384.31,-930 *.5V *.13 *.24 *.25 *.26 *.+VCC *.AREF *.CANRX *.CANTX *.GND *.GND1 *.GND4 *.IOREF *.RESET LCD1.0 LCD1.3 LCD1.16 LCD1.18 LCD1.20 LCD1.32 LCD1.39 LCD1.40 M1.3 M1.4 M1.7 M1.31 M1.32 M1.33 M1.34 M1.35 M1.36 M1.37 M1.38 M1.39 M1.40 P7.3 U1.2 U1.4 U1.5 U1.6 U1.7 U1.14 U1.16 U1.19 U1.21 U1.22 U3.5 U3.6 U3.7

## Polygon pours and split planes (outlines as drawn)
GND on Top Layer "TOP-GND" (hatched 90Degree grid 20 track 8, pour order 5): -2361.51,-3740.16 cw(c-2361.51,-2362.21) -3739.47,-2362.21 -3739.47,2362.21 cw(c-2361.51,2362.21) -2361.51,3740.16 2362.9,3740.16 cw(c2362.9,2362.21) 3740.85,2362.21 3740.85,-2362.21 cw(c2362.9,-2362.21) 2362.9,-3740.16
GND on Bottom Layer "BOT-GND" (hatched 90Degree grid 20 track 8, pour order 6): -2361.51,-3740.16 cw(c-2361.51,-2362.21) -3739.47,-2362.21 -3739.47,2362.21 cw(c-2361.51,2362.21) -2361.51,3740.16 2362.9,3740.16 cw(c2362.9,2362.21) 3740.85,2362.21 3740.85,-2362.21 cw(c2362.9,-2362.21) 2362.9,-3740.16

## Silkscreen, mask and mechanical layers (free items; w line width, h text height)
Top Overlay:
  drawing of 1561 lines, arcs and shapes, not listed
  text "MBED BUSY" at -20,2970 h35
  text "X+" at 3600,1900 h30 r90
  text "Z-" at 3568,1743 h30 r90
  text "Mag." at 3644,1725 h40 r90
  text "Y-" at 3420,1720 h30 r90
  text "Y+" at 3600,1580 h30 r90
  text "Z+" at 3568,1423 h30 r90
  text "Acc." at 3644,1405 h40 r90
  text "Gyro" at 3702,1405 h40 r90
  text "X-" at 3420,1400 h30 r90
  text "GND A0 A7 5V" at -1745,680 h30 r180
  text "EXTRA" at -2185,640 h30 r270
  text "IR4" at -2185,420 h30 r270
  text "IR3" at -2185,220 h30 r270
  text "IR5" at 2460,140 h35 r90
  text "IR2" at -2185,20 h30 r270
  text "IR6" at 2460,-60 h35 r90
  text "IR1" at -2185,-180 h30 r270
  text "IR7" at 2460,-260 h35 r90
  text "IR8" at 2460,-460 h35 r90
  text "ICSP" at -2050,-720 h35
  text "PROGRAMMER" at -2980,-1100 h40 r270
  text "GND" at -3160,-1120 h30 r270
  text "PWR SWITCH" at 2380,-1120 h35 r90
  text "3V3 REG." at 1318.9,-1574.8 h30 r90
  text "DTR" at -3160,-1620 h30 r270
  text "CAP." at -1800,-1660 h30 r270
  text "PAUSE SEL." at -1880,-1780 h30 r270
  text "5V REG." at 1318.9,-2027.56 h30 r90
  text "DIGI." at -1800,-2100 h30 r270
  text "PAUSE" at -1940,-2420 h30 r270
  text "CAP." at -1940,-2600 h30 r270
  text "TOUCH REG." at -600,-2760 h35
  text "S +5V" at -1937,-2778 h35 r270
  text "STATUS" at -1880,-3000 h30
  text "VICTIM" at -1680,-3000 h30
  text "PAUSE" at -1480,-3000 h30
  text "TEMP" at -1120,-3390 h35 r90
  text "PAUSE" at -1280,-3400 h35 r90
  text "STATUS" at -1460,-3420 h35 r90
  text "5V PWR" at -527,-3422 h35 r90
  text "3V3 PWR" at -707,-3444 h35 r90
Bottom Overlay:
  drawing of 1489 lines, arcs and shapes, not listed
  text "Jun/2013" at -3500,1915 h70 r90
  text "V1.0" at -3375,1905 h70 r90
  text "MOTOR 2" at -1100,1520 h50 r180
  text "MOTOR 1" at 240,1520 h50 r180
  text "M+ M- +  -  E+ E-" at 281,1255 h30 r180
  text "M+ M- +  -  E+ E-" at -1052,1254 h30 r180
  text "UART-BT" at 2480,540 h50
  text "RX TX - +" at 2460,300 h40
  text "LIGHT 2" at 2945,145 h40 r90
  text "LIGHT 1" at -2940,-260 h40 r270
  text "+ -" at 2280,-720 h50
  text "PWR" at 2280,-780 h50
  text "M+ M- +  -  E+ E-" at -577,-1255 h30
  text "M+ M- +  -  E+ E-" at 735,-1262 h30
  text "MOTOR 3" at -540,-1520 h50
  text "MOTOR 4" at 760,-1540 h50
Top Solder:
  drawing of 1773 lines, arcs and shapes, not listed
Bottom Solder:
  drawing of 1773 lines, arcs and shapes, not listed
Mechanical 2:
  the board outline again, w5
Mechanical 4:
  lines w5: -1540,-2500 1544.64,2500 ; -1540,2500 1544.64,-2500
  lines w10: -3320,3320 -2066.93,2066.93 ; -3307.09,-3307.09 -2066.93,-2066.93 ; 2066.93,-2066.93 3326.77,-3326.77 ; 2066.93,2066.93 3326.77,3326.77

## Text inside footprints (layer, text, board x,y; h text height)
C14: Top Overlay "+" at 2252.53,-1529.55 h59.06 r90
LCD1: Top Overlay "20" at 1032.75,-2541.11 h35; Top Overlay "40" at 1032.75,-2441.11 h35; Top Overlay "21" at -1096.5,-2438.51 h35; Top Overlay "1" at -1047.25,-2541.11 h35
P26: Top Overlay "6" at -1720,-520 h35; Top Overlay "5" at -1720,-620 h35; Top Overlay "2" at -2080,-520 h35; Top Overlay "1" at -2060,-620 h35